# Altium PCB PCB2-v2.PcbDoc (part 3 of 8)
Units mil, origin at the board's own origin, x right, y up, seen from the top; angles counter-clockwise.
Board outline 4330.71 x 4330.71 mil, 2 copper layers (Top Layer, Bottom Layer); 153 components, 127 nets, 575 pads, 933 vias.
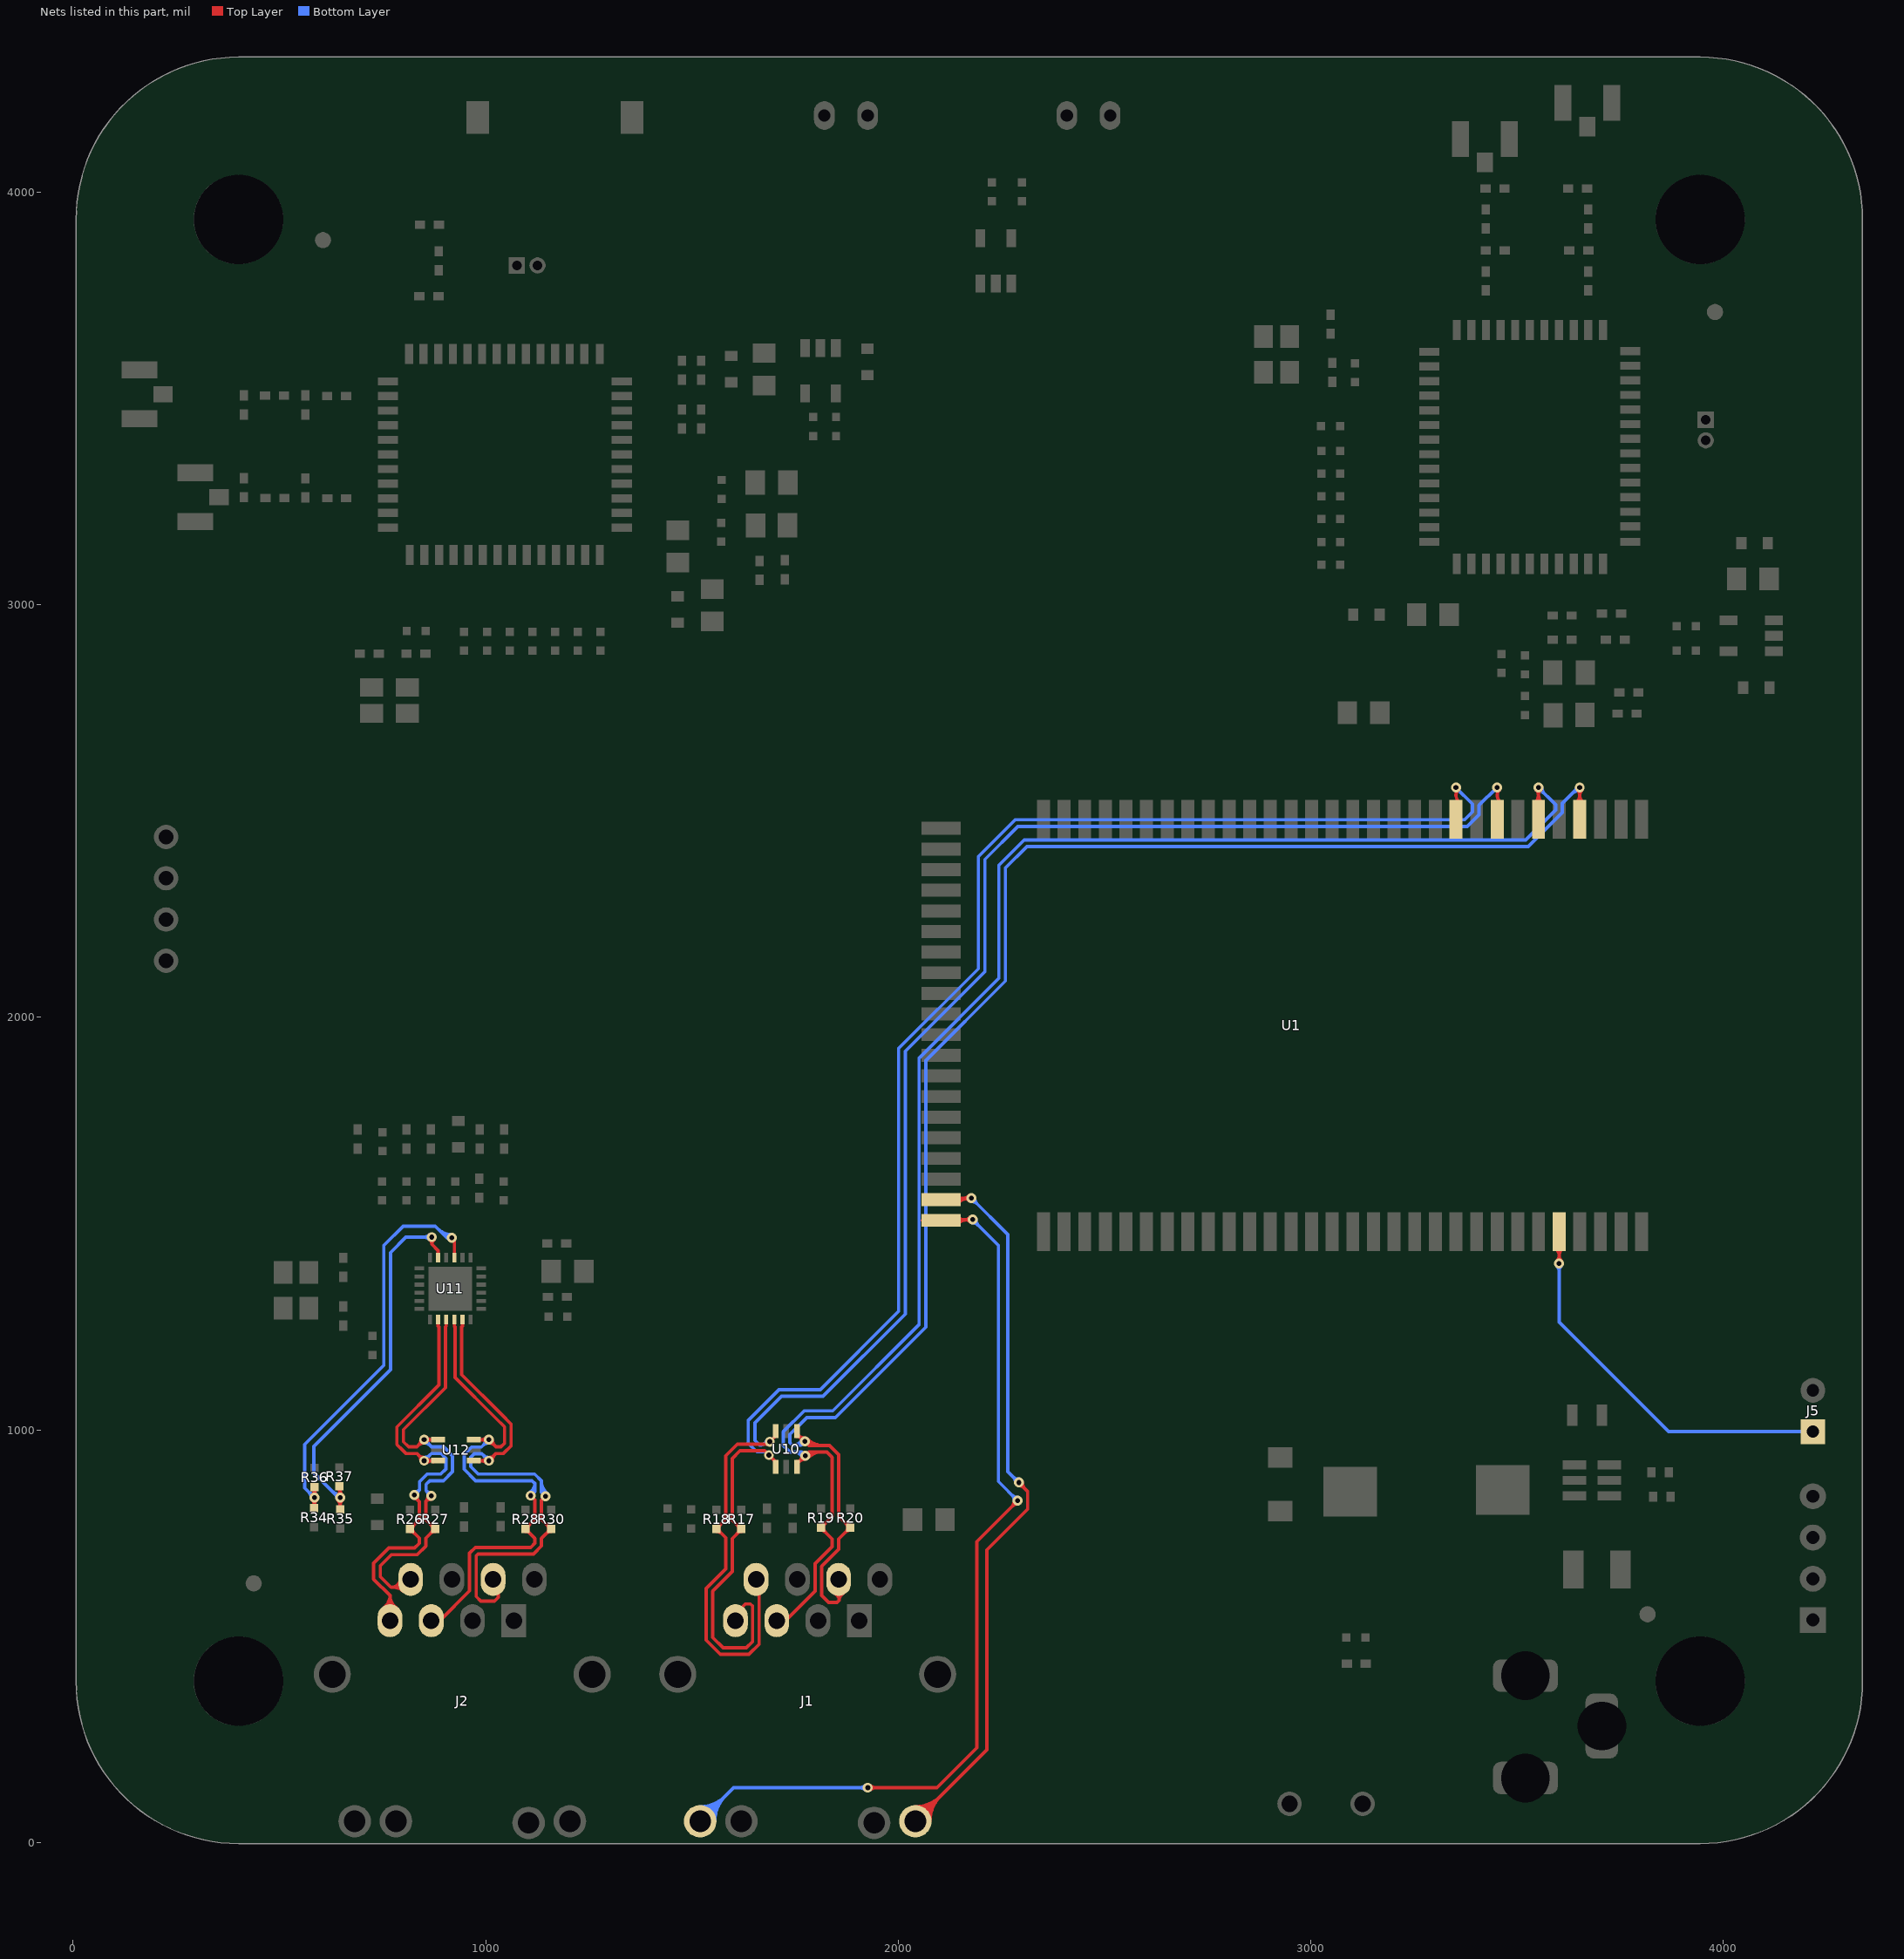
[diagram p3: the nets of this part, all layers, seen from the top]

## Via types
v1: diameter 24, hole 12, Top Layer to Bottom Layer, tented both sides, 931 vias
v2: diameter 78.74, hole 51.18, Top Layer to Bottom Layer, 2 vias

## Nets (pads, with @x,y where several pads share a name; then routed paths per layer and width w, separated by ;. In a path a pad name is that pad's centre, name@x,y a point inside that pad or via, vN(x,y) a via of type N, cw(c..) or ccw(c..) an arc to the next point about the centre after c; other vN are vias at no path point) (continued)
ETH0_LED0: J1.9 U1.80 | length 3618.4
  Top Layer w8: v1(1926.2,132.58) 2094,132.58 2190.52,229.11 2190.52,729.21 v1(2289.4,828.08) ; U1.80@2057.86,1507.92 U1.80@2103.93,1507.92 ; U1.80@2126.89,1508.89 v1@2180.17,1508.89 ; 1945.51,132.58 ccw(c1945.51,113.27) 1931.85,126.93 cw(c1945.51,113.27) 1945.51,132.58 ; 1945.51,132.58 cw(c1945.51,151.9) 1931.85,138.24 ccw(c1945.51,151.9) 1945.51,132.58 ; U1.80@2143.74,1499.61 cw(c2166.15,1477.2) 2166.15,1508.89 ; U1.80@2143.74,1499.61 cw(c2166.15,1477.2) 2166.15,1508.89 ; U1.80@2143.74,1499.61 cw(c2166.15,1477.2) 2166.15,1508.89 ; U1.80@2143.74,1499.61 cw(c2166.15,1477.2) 2166.15,1508.89 ; U1.80@2143.74,1516.22 ccw(c2161.43,1533.92) 2161.43,1508.89 ; U1.80@2143.74,1516.22 ccw(c2161.43,1533.92) 2161.43,1508.89 ; U1.80@2143.74,1516.22 ccw(c2161.43,1533.92) 2161.43,1508.89 ; U1.80@2143.74,1516.22 ccw(c2161.43,1533.92) 2161.43,1508.89 ; 2158.63,1508.89 ccw(c2158.63,1531.35) v1@2174.51,1515.47 ; 2158.63,1508.89 ccw(c2158.63,1531.35) v1@2174.51,1515.47 ; 2158.63,1508.89 ccw(c2158.63,1531.35) v1@2174.51,1515.47 ; 2158.63,1508.89 ccw(c2158.63,1531.35) v1@2174.51,1515.47 ; 2163.08,1508.89 cw(c2163.08,1492.72) v1@2174.51,1504.16 ; 2163.08,1508.89 cw(c2163.08,1492.72) v1@2174.51,1504.16 ; 2163.08,1508.89 cw(c2163.08,1492.72) v1@2174.51,1504.16 ; 2163.08,1508.89 cw(c2163.08,1492.72) v1@2174.51,1504.16 ; 2275.74,814.42 cw(c2289.4,800.77) v1@2289.4,820.08 ; 2275.74,814.42 ccw(c2262.08,828.08) v1@2281.4,828.08 ; 2275.74,814.42 cw(c2289.4,800.77) v1@2289.4,820.08 ; 2275.74,814.42 ccw(c2262.08,828.08) v1@2281.4,828.08 ; 2275.74,814.42 ccw(c2262.08,828.08) v1@2281.4,828.08 ; 2275.74,814.42 cw(c2289.4,800.77) v1@2289.4,820.08 ; 2275.74,814.42 ccw(c2262.08,828.08) v1@2281.4,828.08 ; 2275.74,814.42 cw(c2289.4,800.77) v1@2289.4,820.08
  Bottom Layer w8: J1.9@1519.82,51.23 1601.17,132.58 v1(1926.2,132.58) ; v1(2180.17,1509.81) 2242.73,1447.25 2242.73,874.74 v1(2289.4,828.08) ; 1552.89,84.3 ccw(c1585.95,51.23) 1539.19,51.23 cw(c1585.95,51.23) 1552.89,84.3 ; 1552.89,84.3 cw(c1519.82,117.37) 1519.82,70.6 ccw(c1519.82,117.37) 1552.89,84.3 ; 1566.54,97.96 ccw(c1613.27,51.23) 1547.19,51.23 cw(c1613.27,51.23) 1566.54,97.96 ; 1566.54,97.96 cw(c1519.82,144.68) 1519.82,78.6 ccw(c1519.82,144.68) 1566.54,97.96 ; 1580.2,111.61 ccw(c1640.58,51.23) 1555.19,51.23 cw(c1640.58,51.23) 1580.2,111.61 ; 1580.2,111.61 cw(c1519.82,171.99) 1519.82,86.6 ccw(c1519.82,171.99) 1580.2,111.61 ; 1906.88,132.58 ccw(c1906.88,151.9) 1920.54,138.24 cw(c1906.88,151.9) 1906.88,132.58 ; 1906.88,132.58 cw(c1906.88,113.27) 1920.54,126.93 ccw(c1906.88,113.27) 1906.88,132.58 ; v1@2180.17,1501.81 cw(c2180.17,1482.5) 2193.83,1496.16 ; v1@2180.17,1501.81 cw(c2180.17,1482.5) 2193.83,1496.16 ; v1@2180.17,1501.81 cw(c2180.17,1482.5) 2193.83,1496.16 ; v1@2180.17,1501.81 cw(c2180.17,1482.5) 2193.83,1496.16 ; v1@2188.17,1509.81 ccw(c2207.48,1509.81) 2193.83,1496.16 ; v1@2188.17,1509.81 ccw(c2207.48,1509.81) 2193.83,1496.16 ; v1@2188.17,1509.81 ccw(c2207.48,1509.81) 2193.83,1496.16 ; v1@2188.17,1509.81 ccw(c2207.48,1509.81) 2193.83,1496.16 ; 2275.74,841.74 cw(c2262.08,828.08) v1@2281.4,828.08 ; 2275.74,841.74 ccw(c2289.4,855.39) v1@2289.4,836.08 ; 2275.74,841.74 cw(c2262.08,828.08) v1@2281.4,828.08 ; 2275.74,841.74 ccw(c2289.4,855.39) v1@2289.4,836.08 ; 2275.74,841.74 ccw(c2289.4,855.39) v1@2289.4,836.08 ; 2275.74,841.74 cw(c2262.08,828.08) v1@2281.4,828.08 ; 2275.74,841.74 ccw(c2289.4,855.39) v1@2289.4,836.08 ; 2275.74,841.74 cw(c2262.08,828.08) v1@2281.4,828.08
ETH0_LED1: J1.12 U1.79 | length 3151
  Top Layer w8: J1.12@2041.47,51.23 2214.95,224.71 2214.95,708.97 2294.67,788.68 ; U1.79@2123.89,1560.89 v1@2177.17,1560.89 ; 2250.78,744.79 2294.67,788.68 ; v1(2292.4,872.42) 2313.4,851.42 2313.4,807.41 2294.67,788.68 ; 2074.54,84.3 ccw(c2107.61,51.23) 2060.84,51.23 cw(c2107.61,51.23) 2074.54,84.3 ; 2074.54,84.3 cw(c2041.47,117.37) 2041.47,70.6 ccw(c2041.47,117.37) 2074.54,84.3 ; 2088.2,97.96 ccw(c2134.92,51.23) 2068.84,51.23 cw(c2134.92,51.23) 2088.2,97.96 ; 2088.2,97.96 cw(c2041.47,144.68) 2041.47,78.6 ccw(c2041.47,144.68) 2088.2,97.96 ; 2101.85,111.61 ccw(c2162.23,51.23) 2076.84,51.23 cw(c2162.23,51.23) 2101.85,111.61 ; 2101.85,111.61 cw(c2041.47,171.99) 2041.47,86.6 ccw(c2041.47,171.99) 2101.85,111.61 ; U1.79@2138.08,1555.27 cw(c2151.66,1541.68) 2151.66,1560.89 ; U1.79@2138.08,1555.27 cw(c2151.66,1541.68) 2151.66,1560.89 ; U1.79@2138.08,1555.27 cw(c2151.66,1541.68) 2151.66,1560.89 ; U1.79@2138.08,1555.27 cw(c2151.66,1541.68) 2151.66,1560.89 ; U1.79@2143.74,1549.61 cw(c2170.98,1522.37) v1@2170.98,1560.89 ; U1.79@2143.74,1549.61 cw(c2170.98,1522.37) v1@2170.98,1560.89 ; U1.79@2143.74,1549.61 cw(c2170.98,1522.37) v1@2170.98,1560.89 ; U1.79@2143.74,1549.61 cw(c2170.98,1522.37) v1@2170.98,1560.89 ; U1.79@2143.74,1566.22 ccw(c2156.61,1579.09) 2156.61,1560.89 ; U1.79@2143.74,1566.22 ccw(c2156.61,1579.09) 2156.61,1560.89 ; U1.79@2143.74,1566.22 ccw(c2156.61,1579.09) 2156.61,1560.89 ; U1.79@2143.74,1566.22 ccw(c2156.61,1579.09) 2156.61,1560.89 ; 2155.63,1560.89 ccw(c2155.63,1583.35) v1@2171.51,1567.47 ; 2155.63,1560.89 ccw(c2155.63,1583.35) v1@2171.51,1567.47 ; 2155.63,1560.89 ccw(c2155.63,1583.35) v1@2171.51,1567.47 ; 2155.63,1560.89 ccw(c2155.63,1583.35) v1@2171.51,1567.47 ; 2160.08,1560.89 cw(c2160.08,1544.72) v1@2171.51,1556.16 ; 2160.08,1560.89 cw(c2160.08,1544.72) v1@2171.51,1556.16 ; 2160.08,1560.89 cw(c2160.08,1544.72) v1@2171.51,1556.16 ; 2160.08,1560.89 cw(c2160.08,1544.72) v1@2171.51,1556.16 ; v1@2292.4,864.42 cw(c2292.4,845.1) 2306.05,858.76 ; v1@2292.4,864.42 cw(c2292.4,845.1) 2306.05,858.76 ; v1@2292.4,864.42 cw(c2292.4,845.1) 2306.05,858.76 ; v1@2292.4,864.42 cw(c2292.4,845.1) 2306.05,858.76 ; v1@2300.4,872.42 ccw(c2319.71,872.42) 2306.05,858.76 ; v1@2300.4,872.42 ccw(c2319.71,872.42) 2306.05,858.76 ; v1@2300.4,872.42 ccw(c2319.71,872.42) 2306.05,858.76 ; v1@2300.4,872.42 ccw(c2319.71,872.42) 2306.05,858.76
  Bottom Layer w8: v1(2177.17,1561.81) 2265.6,1473.39 2265.6,898.39 v1@2298.36,865.62 ; v1@2177.17,1553.81 cw(c2177.17,1534.5) 2190.83,1548.16 ; v1@2177.17,1553.81 cw(c2177.17,1534.5) 2190.83,1548.16 ; v1@2177.17,1553.81 cw(c2177.17,1534.5) 2190.83,1548.16 ; v1@2177.17,1553.81 cw(c2177.17,1534.5) 2190.83,1548.16 ; v1@2185.17,1561.81 ccw(c2204.48,1561.81) 2190.83,1548.16 ; v1@2185.17,1561.81 ccw(c2204.48,1561.81) 2190.83,1548.16 ; v1@2185.17,1561.81 ccw(c2204.48,1561.81) 2190.83,1548.16 ; v1@2185.17,1561.81 ccw(c2204.48,1561.81) 2190.83,1548.16 ; 2277.33,886.66 ccw(c2292.4,901.72) v1@2292.4,880.42 ; 2277.33,886.66 ccw(c2292.4,901.72) v1@2292.4,880.42 ; 2277.33,886.66 ccw(c2292.4,901.72) v1@2292.4,880.42 ; 2277.33,886.66 ccw(c2292.4,901.72) v1@2292.4,880.42 ; 2279.32,884.67 cw(c2267.07,872.42) v1@2284.4,872.42 ; 2279.32,884.67 cw(c2267.07,872.42) v1@2284.4,872.42 ; 2279.32,884.67 cw(c2267.07,872.42) v1@2284.4,872.42 ; 2279.32,884.67 cw(c2267.07,872.42) v1@2284.4,872.42
ETH0RX_N: J1.6 R20.2 U1.34 U10.4 | length 4788.3
  Top Layer w8: U10.4@1754.28,996.7 1754.28,990.81 v1@1773.29,971.81 ; 1783.02,962.07 1833.6,962.07 1855.82,939.85 1855.82,790.38 R20.2@1883.25,762.94 1855.82,735.51 1855.82,710.56 1814.3,669.04 1814.3,622.51 ; 1814.3,609.76 1814.3,622.51 ; J1.6@1855.45,637.45 1856.98,635.92 1856.98,587.16 ; U1.34@3651.96,2480.2 v1(3651.96,2556.89) ; 1814.3,622.51 1814.3,598.46 1830.93,581.83 1851.65,581.83 1856.98,587.16 ; 1856.98,587.13 ccw(c1839.69,587.13) 1845.99,603.24 cw(c1839.69,587.13) 1856.98,587.13 ; 1856.98,587.13 cw(c1876.44,587.13) 1867.46,604.39 ccw(c1876.44,587.13) 1856.98,587.13 ; 1873.01,752.7 ccw(c1862.77,762.94) R20.2@1877.25,762.94 ; 1873.01,752.7 cw(c1883.25,742.46) 1883.25,756.94 ccw(c1883.25,742.46) 1873.01,752.7 ; 1873.01,752.7 ccw(c1862.77,762.94) R20.2@1877.25,762.94 ; 1873.01,773.19 ccw(c1883.25,783.43) 1883.25,768.94 cw(c1883.25,783.43) 1873.01,773.19 ; 1873.01,773.19 cw(c1862.77,762.94) R20.2@1877.25,762.94 ; 1873.01,773.19 cw(c1862.77,762.94) R20.2@1877.25,762.94 ; U1.34@3643.66,2520 ccw(c3623.6,2540.06) 3651.96,2540.06 ; U1.34@3643.66,2520 ccw(c3623.6,2540.06) 3651.96,2540.06 ; U1.34@3643.66,2520 ccw(c3623.6,2540.06) 3651.96,2540.06 ; U1.34@3643.66,2520 ccw(c3623.6,2540.06) 3651.96,2540.06 ; v1@3646.31,2551.24 cw(c3632.65,2537.58) 3651.96,2537.58 ; v1@3646.31,2551.24 cw(c3632.65,2537.58) 3651.96,2537.58 ; v1@3646.31,2551.24 cw(c3632.65,2537.58) 3651.96,2537.58 ; v1@3646.31,2551.24 cw(c3632.65,2537.58) 3651.96,2537.58 ; 3651.96,2537.58 cw(c3671.28,2537.58) v1@3657.62,2551.24 ; 3651.96,2537.58 cw(c3671.28,2537.58) v1@3657.62,2551.24 ; 3651.96,2537.58 cw(c3671.28,2537.58) v1@3657.62,2551.24 ; 3651.96,2537.58 cw(c3671.28,2537.58) v1@3657.62,2551.24 ; 3651.96,2540.06 ccw(c3680.33,2540.06) U1.34@3660.27,2520 ; 3651.96,2540.06 ccw(c3680.33,2540.06) U1.34@3660.27,2520 ; 3651.96,2540.06 ccw(c3680.33,2540.06) U1.34@3660.27,2520 ; 3651.96,2540.06 ccw(c3680.33,2540.06) U1.34@3660.27,2520 ; U10.4@1754.28,983.97 cw(c1754.28,967.45) 1765.96,979.13 ccw(c1754.28,967.45) U10.4@1754.28,983.97 ; U10.4@1758.43,986.67 ccw(c1773.79,1002.03) 1773.79,980.3 cw(c1773.79,1002.03) U10.4@1758.43,986.67 ; U10.4@1760.83,984.26 cw(c1748.88,972.3) 1765.79,972.3 ccw(c1748.88,972.3) U10.4@1760.83,984.26 ; v1(1773.79,972.3) ccw(c1798.49,997.01) 1798.49,962.07 cw(c1798.49,997.01) v1(1773.79,972.3) ; v1@1779.44,977.96 ccw(c1817.8,1016.32) 1817.8,962.07 cw(c1817.8,1016.32) v1@1779.44,977.96
  Bottom Layer w8: v1@3650.77,2556.89 v1(3651.96,2556.89) 3647.62,2556.89 3609.46,2518.74 3609.46,2496.11 3527.28,2413.93 2311.81,2413.93 2259.76,2361.88 2259.76,2088.04 2066.73,1895.01 2066.73,1248.93 1847.8,1029.99 1778.4,1029.99 1737.33,988.91 1737.33,968.84 1743.71,962.45 ; 1743.71,962.45 ccw(c1743.71,988.71) 1766.76,976.14 cw(c1743.71,988.71) 1743.71,962.45 ; 1743.71,962.45 1763.93,962.45 v1(1773.79,972.3) ; v1(1773.79,972.3) cw(c1757.19,981.36) 1757.19,962.45 ccw(c1757.19,981.36) v1(1773.79,972.3) ; 3630.88,2540.16 cw(c3651.96,2519.08) v1@3651.96,2548.89 ; 3630.88,2540.16 cw(c3651.96,2519.08) v1@3651.96,2548.89 ; 3630.88,2540.16 cw(c3651.96,2519.08) v1@3651.96,2548.89 ; 3630.88,2540.16 cw(c3651.96,2519.08) v1@3651.96,2548.89 ; 3641.38,2550.66 ccw(c3635.15,2556.89) v1@3643.96,2556.89 ; 3641.38,2550.66 ccw(c3635.15,2556.89) v1@3643.96,2556.89 ; 3641.38,2550.66 ccw(c3635.15,2556.89) v1@3643.96,2556.89 ; 3641.38,2550.66 ccw(c3635.15,2556.89) v1@3643.96,2556.89
ETH0RX_P: J1.3 R19.2 U1.36 U10.3 | length 4686.2
  Top Layer w8: J1.3@1705.45,537.45 1726.47,537.45 1798.3,609.28 1798.3,675.66 1839.82,717.19 1839.82,735.51 R19.2@1812.39,762.94 1839.82,790.38 1839.82,933.23 1826.97,946.07 1783.33,946.07 ; U10.3@1754.28,910.09 1754.28,917.02 v1(1774.69,937.44) ; U1.36@3551.96,2480.2 v1(3551.96,2556.89) ; U10.3@1761.04,923.78 ccw(c1747.38,937.44) 1766.69,937.44 cw(c1747.38,937.44) U10.3@1761.04,923.78 ; U10.3@1761.04,923.78 cw(c1774.69,910.12) 1774.69,929.44 ccw(c1774.69,910.12) U10.3@1761.04,923.78 ; v1(1774.69,937.44) cw(c1795.54,916.59) 1795.54,946.07 ccw(c1795.54,916.59) v1(1774.69,937.44) ; R19.2@1818.39,762.94 ccw(c1832.87,762.94) 1822.63,752.7 ; R19.2@1818.39,762.94 cw(c1832.87,762.94) 1822.63,773.19 ; R19.2@1818.39,762.94 ccw(c1832.87,762.94) 1822.63,752.7 ; R19.2@1818.39,762.94 cw(c1832.87,762.94) 1822.63,773.19 ; 1822.63,752.7 ccw(c1812.39,742.46) 1812.39,756.94 cw(c1812.39,742.46) 1822.63,752.7 ; 1822.63,773.19 cw(c1812.39,783.43) 1812.39,768.94 ccw(c1812.39,783.43) 1822.63,773.19 ; U1.36@3543.66,2520 ccw(c3523.6,2540.06) 3551.96,2540.06 ; U1.36@3543.66,2520 ccw(c3523.6,2540.06) 3551.96,2540.06 ; U1.36@3543.66,2520 ccw(c3523.6,2540.06) 3551.96,2540.06 ; U1.36@3543.66,2520 ccw(c3523.6,2540.06) 3551.96,2540.06 ; v1@3546.31,2551.24 cw(c3532.65,2537.58) 3551.96,2537.58 ; v1@3546.31,2551.24 cw(c3532.65,2537.58) 3551.96,2537.58 ; v1@3546.31,2551.24 cw(c3532.65,2537.58) 3551.96,2537.58 ; v1@3546.31,2551.24 cw(c3532.65,2537.58) 3551.96,2537.58 ; 3551.96,2537.58 cw(c3571.28,2537.58) v1@3557.62,2551.24 ; 3551.96,2537.58 cw(c3571.28,2537.58) v1@3557.62,2551.24 ; 3551.96,2537.58 cw(c3571.28,2537.58) v1@3557.62,2551.24 ; 3551.96,2537.58 cw(c3571.28,2537.58) v1@3557.62,2551.24 ; 3551.96,2540.06 ccw(c3580.33,2540.06) U1.36@3560.27,2520 ; 3551.96,2540.06 ccw(c3580.33,2540.06) U1.36@3560.27,2520 ; 3551.96,2540.06 ccw(c3580.33,2540.06) U1.36@3560.27,2520 ; 3551.96,2540.06 ccw(c3580.33,2540.06) U1.36@3560.27,2520 ; U10.3@1754.28,922.82 ccw(c1754.28,936.81) 1764.18,926.92 cw(c1754.28,936.81) U10.3@1754.28,922.82 ; v1@1780.35,931.78 cw(c1814.85,897.28) 1814.85,946.07 ccw(c1814.85,897.28) v1@1780.35,931.78
  Bottom Layer w8: 1760.88,946.45 1746.15,946.45 ; v1(3551.96,2556.89) 3593.46,2515.4 3593.46,2502.74 3520.65,2429.93 2305.19,2429.93 2243.76,2368.5 2243.76,2094.67 2050.73,1901.64 2050.73,1255.55 1841.17,1045.99 1771.78,1045.99 1721.33,995.54 1721.33,962.21 1737.08,946.45 1746.15,946.45 ; 1746.15,946.45 cw(c1746.15,921.99) 1767.66,933.63 ccw(c1746.15,921.99) 1746.15,946.45 ; 1746.15,946.45 1765.68,946.45 v1(1774.69,937.44) ; v1(1774.69,937.44) ccw(c1759.57,929.26) 1759.57,946.45 cw(c1759.57,929.26) v1(1774.69,937.44) ; v1@3551.96,2548.89 cw(c3551.96,2529.58) 3565.62,2543.24 ; v1@3551.96,2548.89 cw(c3551.96,2529.58) 3565.62,2543.24 ; v1@3551.96,2548.89 cw(c3551.96,2529.58) 3565.62,2543.24 ; v1@3551.96,2548.89 cw(c3551.96,2529.58) 3565.62,2543.24 ; v1@3559.96,2556.89 ccw(c3579.28,2556.89) 3565.62,2543.24 ; v1@3559.96,2556.89 ccw(c3579.28,2556.89) 3565.62,2543.24 ; v1@3559.96,2556.89 ccw(c3579.28,2556.89) 3565.62,2543.24 ; v1@3559.96,2556.89 ccw(c3579.28,2556.89) 3565.62,2543.24
ETH1_LED0: R34.2 R36.1 U11.15 | length 1618.5
  Top Layer w8: R34.2@584.18,810.38 585.02,811.22 R36.1@585.02,861.43 ; U11.15@923.9,1417.19 v1@923.9,1459.82 ; v1@585.02,846.95 ccw(c570.53,846.95) 580.78,857.19 cw(c570.53,846.95) v1@585.02,846.95 ; v1@585.02,846.95 cw(c599.5,846.95) 589.26,857.19 ccw(c599.5,846.95) v1@585.02,846.95 ; v1@579.06,830.17 cw(c564.67,815.79) 585.02,815.79 ccw(c564.67,815.79) v1@579.06,830.17 ; v1@579.06,841.49 ccw(c564.67,855.87) 585.02,855.87 cw(c564.67,855.87) v1@579.06,841.49 ; R34.2@579.94,814.62 ccw(c567.66,826.89) 585.02,826.89 cw(c567.66,826.89) R34.2@579.94,814.62 ; R34.2@585.02,817.25 cw(c603.3,817.25) 590.37,830.17 ccw(c603.3,817.25) R34.2@585.02,817.25 ; 585.02,822.83 ccw(c596.64,822.83) 588.42,814.62 cw(c596.64,822.83) 585.02,822.83 ; R36.1@585.02,854.42 ccw(c603.3,854.42) 590.37,841.49 cw(c603.3,854.42) R36.1@585.02,854.42
  Bottom Layer w8: v1(584.72,835.83) 561.42,859.13 561.42,964.82 677.86,1081.25 ; 629.97,1033.37 677.86,1081.25 ; 886.48,1484.7 ccw(c913.19,1511.41) v1@917.03,1473.83 ; 898.38,1472.79 ccw(c915.4,1489.81) v1(917.85,1465.87) ; 571.06,849.49 ccw(c584.72,863.14) 584.72,843.83 cw(c584.72,863.14) 571.06,849.49 ; 571.06,849.49 cw(c557.4,835.83) 576.72,835.83 ccw(c557.4,835.83) 571.06,849.49 ; 677.86,1081.25 753.09,1156.49 753.09,1446.86 799.67,1493.44 877.74,1493.44 905.31,1465.87 ; 884.01,1487.17 ccw(c916.17,1519.33) v1@917.6,1473.87 ; 884.01,1487.17 ccw(c916.17,1519.33) v1@917.6,1473.87 ; 884.01,1487.17 ccw(c916.17,1519.33) v1@917.6,1473.87 ; 897.08,1474.09 ccw(c916.97,1493.98) v1(917.85,1465.87) ; 897.08,1474.09 ccw(c916.97,1493.98) v1(917.85,1465.87) ; 897.08,1474.09 ccw(c916.97,1493.98) v1(917.85,1465.87) ; 905.31,1465.87 cw(c905.31,1460.04) v1@910.59,1462.5 ; 905.31,1465.87 ccw(c905.31,1471.7) v1@910.59,1469.24 ; 905.31,1465.87 cw(c905.31,1460.04) v1@910.59,1462.5 ; 905.31,1465.87 ccw(c905.31,1471.7) v1@910.59,1469.24 ; 905.31,1465.87 ccw(c905.31,1471.7) v1@910.59,1469.24 ; 905.31,1465.87 cw(c905.31,1460.04) v1@910.59,1462.5 ; 905.31,1465.87 ccw(c905.31,1471.7) v1@910.59,1469.24 ; 905.31,1465.87 cw(c905.31,1460.04) v1@910.59,1462.5 ; 905.31,1465.87 v1(917.85,1465.87)
ETH1_LED1: R35.2 R37.1 U11.17 | length 1426.8
  Top Layer w8: R37.1@645.55,862.99 646.93,861.61 R35.2@646.93,806.93 ; v1@864.61,1461.31 cw(c852.92,1449.63) 869.45,1449.63 ; v1@870.27,1466.97 869.45,1466.15 869.45,1449.56 ; v1@875.01,1460.52 ccw(c883.09,1449.54) 869.45,1449.54 ; U11.17@884.53,1417.19 884.53,1434.48 869.45,1449.56 ; 646.93,821.41 ccw(c661.42,821.41) 651.17,811.17 cw(c661.42,821.41) 646.93,821.41 ; 646.93,821.41 cw(c632.45,821.41) 642.69,811.17 ccw(c632.45,821.41) 646.93,821.41 ; v1@864.16,1460.89 cw(c854.68,1449.56) 869.45,1449.56 ; v1@864.16,1460.89 cw(c854.68,1449.56) 869.45,1449.56 ; v1@864.16,1460.89 cw(c854.68,1449.56) 869.45,1449.56 ; 869.45,1449.56 cw(c884.82,1449.56) v1@874.61,1461.04 ; 869.45,1449.56 cw(c884.82,1449.56) v1@874.61,1461.04 ; 869.45,1449.56 cw(c884.82,1449.56) v1@874.61,1461.04 ; R37.1@641.31,858.75 cw(c627.74,845.17) 646.93,845.17 ccw(c627.74,845.17) R37.1@641.31,858.75 ; v1@641.34,829.82 cw(c627.84,816.32) 646.93,816.32 ccw(c627.84,816.32) v1@641.34,829.82 ; v1@641.34,841.13 ccw(c627.84,854.63) 646.93,854.63 cw(c627.84,854.63) v1@641.34,841.13 ; R35.2@646.93,816 cw(c666.47,816) 652.65,829.82 ccw(c666.47,816) R35.2@646.93,816 ; 646.93,851.83 cw(c656.71,851.83) 649.8,858.75 ccw(c656.71,851.83) 646.93,851.83 ; R37.1@646.93,854.95 ccw(c666.47,854.95) 652.65,841.13 cw(c666.47,854.95) R37.1@646.93,854.95
  Bottom Layer w8: v1(647,835.48) 643.65,835.48 583.49,895.64 583.49,960.05 769.09,1145.65 769.09,1429.78 806.28,1466.97 v1@870.27,1466.97 ; v1@864.61,1461.31 ccw(c850.95,1447.66) 850.95,1466.97 ccw(c850.95,1486.28) v1@864.61,1472.63 ; 849.85,1466.97 ccw(c849.85,1486.46) v1@863.63,1472.68 ; 849.85,1466.97 ccw(c849.85,1486.46) v1@863.63,1472.68 ; 849.85,1466.97 ccw(c849.85,1486.46) v1@863.63,1472.68 ; 850.1,1466.97 cw(c850.1,1447.84) v1@863.63,1461.37 ; 850.1,1466.97 cw(c850.1,1447.84) v1@863.63,1461.37 ; 850.1,1466.97 cw(c850.1,1447.84) v1@863.63,1461.37 ; 627.63,851.5 ccw(c647,870.87) 647,843.48 cw(c647,870.87) 627.63,851.5 ; 635.71,843.42 cw(c627.76,835.48) 639,835.48 ccw(c627.76,835.48) 635.71,843.42
  other v1: 869.29,1467.02
ETH1_RX_N: J2.6 R30.2 U11.5 U12.4 | length 1700.8
  Top Layer w8: U11.5@943.59,1267.19 943.59,1251.38 941.74,1249.54 941.74,1133.64 1038.51,1036.88 1061.57,1013.82 1061.57,961 1043.29,942.72 1025.21,942.72 v1(1007.62,925.13) U12.4@971.39,925.13 ; J2.6@1017.96,637.45 1030.34,625.08 1030.34,593.64 1021.35,584.65 988.19,584.65 976.83,596.01 976.83,694.54 981.34,699.05 1115.73,699.05 1135.13,718.46 1135.13,736.69 R30.2@1158.32,759.88 1135.13,783.07 1135.13,829.6 v1(1144.75,839.22) ; 988.21,925.13 ccw(c988.21,918.16) 983.28,923.09 cw(c988.21,918.16) 988.21,925.13 ; 988.21,925.13 cw(c988.21,932.11) 983.28,927.18 ccw(c988.21,932.11) 988.21,925.13 ; 988.31,925.13 ccw(c988.31,944.45) 1001.96,930.79 cw(c988.31,944.45) 988.31,925.13 ; 988.31,925.13 cw(c988.31,905.82) 1001.96,919.48 ccw(c988.31,905.82) 988.31,925.13 ; 1021.28,938.79 ccw(c1034.93,925.13) 1015.62,925.13 cw(c1034.93,925.13) 1021.28,938.79 ; 1021.28,938.79 cw(c1007.62,952.45) 1007.62,933.13 ccw(c1007.62,952.45) 1021.28,938.79 ; 1148.08,749.64 ccw(c1137.84,759.88) R30.2@1152.32,759.88 ; 1148.08,749.64 cw(c1158.32,739.4) 1158.32,753.88 ccw(c1158.32,739.4) 1148.08,749.64 ; 1148.08,749.64 ccw(c1137.84,759.88) R30.2@1152.32,759.88 ; 1148.08,770.13 ccw(c1158.32,780.37) 1158.32,765.88 cw(c1158.32,780.37) 1148.08,770.13 ; 1148.08,770.13 cw(c1137.84,759.88) R30.2@1152.32,759.88 ; 1148.08,770.13 cw(c1137.84,759.88) R30.2@1152.32,759.88
  Bottom Layer w8: v1(1007.62,925.13) 990.52,942.23 972.19,942.23 963.62,933.67 963.62,910.97 981.88,892.72 1118.64,892.72 1134.87,876.5 ; 993.96,938.79 ccw(c1007.62,952.45) 1007.62,933.13 cw(c1007.62,952.45) 993.96,938.79 ; 993.96,938.79 cw(c980.31,925.13) 999.62,925.13 ccw(c980.31,925.13) 993.96,938.79 ; 1134.87,876.49 ccw(c1174.66,876.49) 1149.76,845.45 cw(c1174.66,876.49) 1134.87,876.49 ; 1134.87,876.5 1134.87,849.1 v1(1144.75,839.22) ; v1(1144.75,839.22) cw(c1161.28,859.82) 1134.87,859.82 ccw(c1161.28,859.82) v1(1144.75,839.22)
ETH1_RX_P: J2.3 R28.2 U11.4 U12.6 | length 1676.1
  Top Layer w8: J2.3@867.96,537.45 888.75,537.45 960.83,609.53 960.83,701.16 974.71,715.05 1109.1,715.05 1119.13,725.08 1119.13,736.69 R28.2@1095.94,759.88 1119.13,783.07 1119.13,830.36 v1(1108.98,840.51) ; U11.4@923.9,1267.19 923.9,1251.38 925.74,1249.54 925.74,1127.01 1024.54,1028.22 1045.57,1007.19 1045.57,967.63 1036.66,958.72 1025.27,958.72 v1(1007.68,976.31) U12.6@971.39,976.31 ; 988.21,976.31 ccw(c988.21,969.34) 983.28,974.27 cw(c988.21,969.34) 988.21,976.31 ; 988.21,976.31 cw(c988.21,983.29) 983.28,978.36 ccw(c988.21,983.29) 988.21,976.31 ; 988.36,976.31 ccw(c988.36,995.63) 1002.02,981.97 cw(c988.36,995.63) 988.36,976.31 ; 988.36,976.31 cw(c988.36,957) 1002.02,970.66 ccw(c988.36,957) 988.36,976.31 ; 1021.33,962.66 ccw(c1007.68,949) 1007.68,968.31 cw(c1007.68,949) 1021.33,962.66 ; 1021.33,962.66 cw(c1034.99,976.31) 1015.68,976.31 ccw(c1034.99,976.31) 1021.33,962.66 ; R28.2@1101.94,759.88 ccw(c1116.43,759.88) 1106.18,749.64 ; R28.2@1101.94,759.88 cw(c1116.43,759.88) 1106.18,770.13 ; R28.2@1101.94,759.88 ccw(c1116.43,759.88) 1106.18,749.64 ; R28.2@1101.94,759.88 cw(c1116.43,759.88) 1106.18,770.13 ; 1106.18,749.64 ccw(c1095.94,739.4) 1095.94,753.88 cw(c1095.94,739.4) 1106.18,749.64 ; 1106.18,770.13 cw(c1095.94,780.37) 1095.94,765.88 ccw(c1095.94,780.37) 1106.18,770.13
  Bottom Layer w8: v1(1007.68,976.31) 989.6,958.23 965.56,958.23 947.62,940.3 947.62,904.35 975.25,876.72 1112.02,876.72 1118.87,869.87 1118.87,850.39 v1(1108.98,840.51) ; 994.02,962.66 ccw(c980.36,976.31) 999.68,976.31 cw(c980.36,976.31) 994.02,962.66 ; 994.02,962.66 cw(c1007.68,949) 1007.68,968.31 ccw(c1007.68,949) 994.02,962.66 ; v1(1108.98,840.51) ccw(c1100.61,856.73) 1118.87,856.73 cw(c1100.61,856.73) v1(1108.98,840.51) ; v1@1105.31,847.62 ccw(c1093.83,869.87) 1118.87,869.87 cw(c1093.83,869.87) v1@1105.31,847.62
ETH1_TX_N: J2.2 R27.2 U11.3 U12.1 | length 1650.1
  Top Layer w8: J2.2@817.96,637.45 798.72,618.21 770.7,618.21 ; v1(867.96,840.04) 854.83,826.92 854.83,782.3 R27.2@877.25,759.88 854.83,737.47 854.83,718.3 834.12,697.59 771.85,697.59 744.28,670.02 744.28,644.63 770.7,618.21 ; U12.1@884.78,976.31 v1(850.7,976.31) 833.11,958.72 813.04,958.72 800.62,971.14 800.62,1000.5 902.37,1102.25 902.37,1249.54 904.22,1251.38 U11.3@904.22,1267.19 ; 770.7,618.21 ccw(c770.7,641.52) 793.04,634.87 cw(c770.7,641.52) 770.7,618.21 ; 837.04,962.66 ccw(c823.39,976.31) 842.7,976.31 cw(c823.39,976.31) 837.04,962.66 ; 837.04,962.66 cw(c850.7,949) 850.7,968.31 ccw(c850.7,949) 837.04,962.66 ; 854.83,826.92 ccw(c842.44,839.31) 859.96,839.81 cw(c842.44,839.31) 854.83,826.92 ; 854.83,826.92 cw(c867.23,814.53) 867.73,832.04 ccw(c867.23,814.53) 854.83,826.92 ; 867.01,749.64 ccw(c856.77,759.88) R27.2@871.25,759.88 ; 867.01,749.64 cw(c877.25,739.4) 877.25,753.88 ccw(c877.25,739.4) 867.01,749.64 ; 867.01,749.64 ccw(c856.77,759.88) R27.2@871.25,759.88 ; 867.01,770.13 ccw(c877.25,780.37) 877.25,765.88 cw(c877.25,780.37) 867.01,770.13 ; 867.01,770.13 cw(c856.77,759.88) R27.2@871.25,759.88 ; 867.01,770.13 cw(c856.77,759.88) R27.2@871.25,759.88 ; 867.96,976.31 ccw(c867.96,983.29) 872.89,978.36 cw(c867.96,983.29) 867.96,976.31 ; 867.96,976.31 cw(c867.96,969.34) 872.89,974.27 ccw(c867.96,969.34) 867.96,976.31 ; U12.1@870.01,976.31 ccw(c870.01,957) 856.36,970.66 cw(c870.01,957) U12.1@870.01,976.31 ; U12.1@870.01,976.31 cw(c870.01,995.63) 856.36,981.97 ccw(c870.01,995.63) U12.1@870.01,976.31 ; 777.52,618.21 cw(c777.52,587) 799.58,609.07 ccw(c777.52,587) 777.52,618.21 ; 781.43,618.21 ccw(c781.43,638.32) 800.71,632.59 cw(c781.43,638.32) 781.43,618.21
  Bottom Layer w8: v1(850.7,976.31) 868.41,958.61 897.89,958.61 ; v1(867.96,840.04) 855.5,852.5 ; 875.65,958.61 897.89,958.61 ; 855.5,852.5 ccw(c866.39,863.39) 867.42,848.02 cw(c866.39,863.39) 855.5,852.5 ; 855.5,852.5 cw(c844.6,841.61) 859.97,840.58 ccw(c844.6,841.61) 855.5,852.5 ; 855.5,852.5 855.5,867.69 864.5,876.7 897.73,876.7 919.5,898.47 919.5,937 897.89,958.61 ; 864.36,962.66 ccw(c850.7,949) 850.7,968.31 cw(c850.7,949) 864.36,962.66 ; 864.36,962.66 cw(c878.01,976.31) 858.7,976.31 ccw(c878.01,976.31) 864.36,962.66
ETH1_TX_P: J2.1 R26.2 U11.2 U12.3 | length 1750.6
  Top Layer w8: J2.1@767.96,537.45 767.96,598.31 ; 792.23,956.9 806.41,942.72 ; v1@823.58,841.35 824.95,839.98 838.83,826.1 838.83,782.3 R26.2@816.42,759.88 838.83,737.47 838.83,724.93 827.5,713.59 765.22,713.59 728.28,676.65 728.28,638 767.96,598.31 ; U11.2@884.53,1267.19 884.53,1251.38 886.37,1249.54 886.37,1108.88 784.62,1007.13 784.62,964.51 806.41,942.72 ; U12.3@884.78,925.13 v1(850.65,925.13) 833.06,942.72 806.41,942.72 ; 767.96,582.66 ccw(c793.4,582.66) 778.51,562.04 cw(c793.4,582.66) 767.96,582.66 ; 767.96,582.66 cw(c742.53,582.66) 757.42,562.04 ccw(c742.53,582.66) 767.96,582.66 ; 767.96,598.31 ccw(c804.71,598.31) 783.19,568.53 cw(c804.71,598.31) 767.96,598.31 ; 767.96,598.31 cw(c731.22,598.31) 752.74,568.53 ccw(c731.22,598.31) 767.96,598.31 ; R26.2@822.41,759.88 ccw(c836.9,759.88) 826.66,749.64 ; R26.2@822.41,759.88 cw(c836.9,759.88) 826.66,770.13 ; R26.2@822.41,759.88 ccw(c836.9,759.88) 826.66,749.64 ; R26.2@822.41,759.88 cw(c836.9,759.88) 826.66,770.13 ; 826.66,749.64 ccw(c816.42,739.4) 816.42,753.88 cw(c816.42,739.4) 826.66,749.64 ; 826.66,770.13 cw(c816.42,780.37) 816.42,765.88 ccw(c816.42,780.37) 826.66,770.13 ; 836.99,938.79 ccw(c850.65,952.45) 850.65,933.13 cw(c850.65,952.45) 836.99,938.79 ; 836.99,938.79 cw(c823.34,925.13) 842.65,925.13 ccw(c823.34,925.13) 836.99,938.79 ; 867.96,925.13 ccw(c867.96,932.11) 872.89,927.18 cw(c867.96,932.11) 867.96,925.13 ; 867.96,925.13 cw(c867.96,918.16) 872.89,923.09 ccw(c867.96,918.16) 867.96,925.13 ; U12.3@869.97,925.13 ccw(c869.97,905.82) 856.31,919.48 cw(c869.97,905.82) U12.3@869.97,925.13 ; U12.3@869.97,925.13 cw(c869.97,944.45) 856.31,930.79 ccw(c869.97,944.45) U12.3@869.97,925.13 ; v1@827.04,834.07 cw(c827.04,824.84) 833.56,831.37 ccw(c827.04,824.84) v1@827.04,834.07 ; v1@834.48,839.13 ccw(c843.94,835.38) 836.74,828.18 cw(c843.94,835.38) v1@834.48,839.13
  Bottom Layer w8: v1(827.04,842.07) 839.5,854.53 ; v1(850.65,925.13) 868.13,942.61 891.27,942.61 ; 875.65,942.61 891.27,942.61 ; 839.5,854.53 ccw(c850.39,843.64) 835.02,842.61 cw(c850.39,843.64) 839.5,854.53 ; 839.5,854.53 cw(c828.6,865.42) 827.57,850.05 ccw(c828.6,865.42) 839.5,854.53 ; 839.5,854.53 839.5,874.32 857.87,892.7 891.11,892.7 903.5,905.09 903.5,930.37 891.27,942.61 ; 864.31,938.79 ccw(c877.97,925.13) 858.65,925.13 cw(c877.97,925.13) 864.31,938.79 ; 864.31,938.79 cw(c850.65,952.45) 850.65,933.13 ccw(c850.65,952.45) 864.31,938.79
ETH_0_TX_N: J1.2 R18.2 U1.38 U10.6 | length 4129.2
  Top Layer w8: R18.2@1561.19,759.74 1561.19,759.31 1581.78,738.72 1581.78,662.99 1534.23,615.45 1534.23,490.15 1568.66,455.71 1638.22,455.71 1662.69,480.19 1662.69,630.21 J1.2@1655.45,637.45 ; R18.2@1561.19,762.38 1581.78,782.97 1581.78,937.31 1609.74,965.27 v1@1682.35,965.27 ; v1(1688.62,971.4) 1703.1,985.88 U10.6@1703.1,996.7 ; 3451.96,2537.58 cw(c3471.28,2537.58) v1@3457.62,2551.24 ; 3451.96,2540.06 ccw(c3480.33,2540.06) U1.38@3460.27,2520 ; R18.2@1565.47,759.83 ccw(c1577.07,759.83) 1568.87,751.63 cw(c1577.07,759.83) R18.2@1565.47,759.83 ; R18.2@1565.47,759.83 cw(c1581.95,759.83) 1570.3,771.48 ccw(c1581.95,759.83) R18.2@1565.47,759.83 ; R18.2@1559.47,753.83 cw(c1559.47,736.45) 1571.76,748.74 ccw(c1559.47,736.45) R18.2@1559.47,753.83 ; R18.2@1559.47,765.83 ccw(c1559.47,778.32) 1568.31,769.49 cw(c1559.47,778.32) R18.2@1559.47,765.83
  Bottom Layer w8: v1@1681.16,974.31 cw(c1664.1,980.97) 1664.1,962.65 1652.5,974.25 1652.5,1016.82 1717.2,1081.51 1817.84,1081.51 2016.95,1280.63 2016.95,1917.77 2210.11,2110.93 2210.11,2382.76 2290.11,2462.76 3379.28,2462.76 3407.86,2491.33 3407.86,2513.96 v1@3450.79,2556.89
  other v1: 3451.96,2556.89
ETH_0_TX_P: J1.1 R17.2 U1.40 U10.1 | length 4084.9
  Top Layer w8: J1.1@1605.45,537.45 1605.45,553.78 1629.73,578.05 1641.62,578.05 1646.69,572.98 1646.69,486.81 1631.59,471.71 1575.29,471.71 1550.23,496.78 1550.23,608.82 1597.78,656.37 1597.78,736.59 1618.37,757.18 1618.37,759.83 R17.2@1618.37,759.88 ; R17.2@1618.37,760.24 1597.78,780.83 1597.78,930.68 1616.37,949.27 1675.93,949.27 1686.46,938.73 1703.1,922.09 U10.1@1703.1,910.09 ; 3351.96,2537.58 cw(c3371.28,2537.58) v1@3357.62,2551.24 ; 3351.96,2540.06 ccw(c3380.33,2540.06) U1.40@3360.27,2520 ; R17.2@1613.83,759.83 cw(c1596.46,759.83) 1608.74,747.55 ccw(c1596.46,759.83) R17.2@1613.83,759.83 ; R17.2@1613.83,759.83 ccw(c1601.85,759.83) 1610.32,768.3 cw(c1601.85,759.83) R17.2@1613.83,759.83 ; 1607.81,770.81 ccw(c1619.83,782.83) 1619.83,765.83 cw(c1619.83,782.83) 1607.81,770.81 ; R17.2@1611.62,750.43 cw(c1619.83,742.23) 1619.83,753.83 ccw(c1619.83,742.23) R17.2@1611.62,750.43
  Bottom Layer w8: v1@1678.86,946.65 1657.47,946.65 1636.5,967.63 1636.5,1023.44 1710.57,1097.51 1811.21,1097.51 2000.95,1287.26 2000.95,1924.4 2194.11,2117.56 2194.11,2389.38 2283.48,2478.76 3372.65,2478.76 3391.86,2497.96 3391.86,2517 v1(3351.96,2556.89)
  other v1: 1686.62,938.89
FLASH: J5.1 U1.26 | length 1365.1
  Top Layer w8: v1(3601.96,1403.51) U1.26@3601.96,1480.2 ; U1.26@3593.66,1440.4 cw(c3573.6,1420.34) 3601.96,1420.34 ; U1.26@3593.66,1440.4 cw(c3573.6,1420.34) 3601.96,1420.34 ; U1.26@3593.66,1440.4 cw(c3573.6,1420.34) 3601.96,1420.34 ; U1.26@3593.66,1440.4 cw(c3573.6,1420.34) 3601.96,1420.34 ; v1@3596.31,1409.16 ccw(c3582.65,1422.82) 3601.96,1422.82 ; v1@3596.31,1409.16 ccw(c3582.65,1422.82) 3601.96,1422.82 ; v1@3596.31,1409.16 ccw(c3582.65,1422.82) 3601.96,1422.82 ; v1@3596.31,1409.16 ccw(c3582.65,1422.82) 3601.96,1422.82 ; 3601.96,1420.34 cw(c3630.33,1420.34) U1.26@3610.27,1440.4 ; 3601.96,1420.34 cw(c3630.33,1420.34) U1.26@3610.27,1440.4 ; 3601.96,1420.34 cw(c3630.33,1420.34) U1.26@3610.27,1440.4 ; 3601.96,1420.34 cw(c3630.33,1420.34) U1.26@3610.27,1440.4 ; 3601.96,1422.82 ccw(c3621.28,1422.82) v1@3607.62,1409.16 ; 3601.96,1422.82 ccw(c3621.28,1422.82) v1@3607.62,1409.16 ; 3601.96,1422.82 ccw(c3621.28,1422.82) v1@3607.62,1409.16 ; 3601.96,1422.82 ccw(c3621.28,1422.82) v1@3607.62,1409.16
  Bottom Layer w8: v1(3601.96,1403.51) 3601.96,1261.19 3867.42,995.74 J5.1@4217.21,995.74 ; v1@3596.31,1397.85 cw(c3582.65,1384.19) 3601.96,1384.19 ; v1@3596.31,1397.85 cw(c3582.65,1384.19) 3601.96,1384.19 ; v1@3596.31,1397.85 cw(c3582.65,1384.19) 3601.96,1384.19 ; v1@3596.31,1397.85 cw(c3582.65,1384.19) 3601.96,1384.19 ; 3601.96,1384.19 cw(c3621.28,1384.19) v1@3607.62,1397.85 ; 3601.96,1384.19 cw(c3621.28,1384.19) v1@3607.62,1397.85 ; 3601.96,1384.19 cw(c3621.28,1384.19) v1@3607.62,1397.85 ; 3601.96,1384.19 cw(c3621.28,1384.19) v1@3607.62,1397.85